# Altium PCB HIVE_BOARD_PCB ASCII REV Project_PCB_Rev.Project_SCH_Rev.PcbDoc (part 6 of 9)
Units mil, origin at the board's own origin, x right, y up, seen from the top; angles counter-clockwise.
Board outline 4330.71 x 4330.71 mil, 8 copper layers (Top, GND_1, Signal_1, GND_2, PWR, Signal_2, GND_3, Bottom), stack 62.994 mil thick; 660 components, 468 nets, 2497 pads, 1806 vias.
Unrouted connection lines stored in the file: 30.
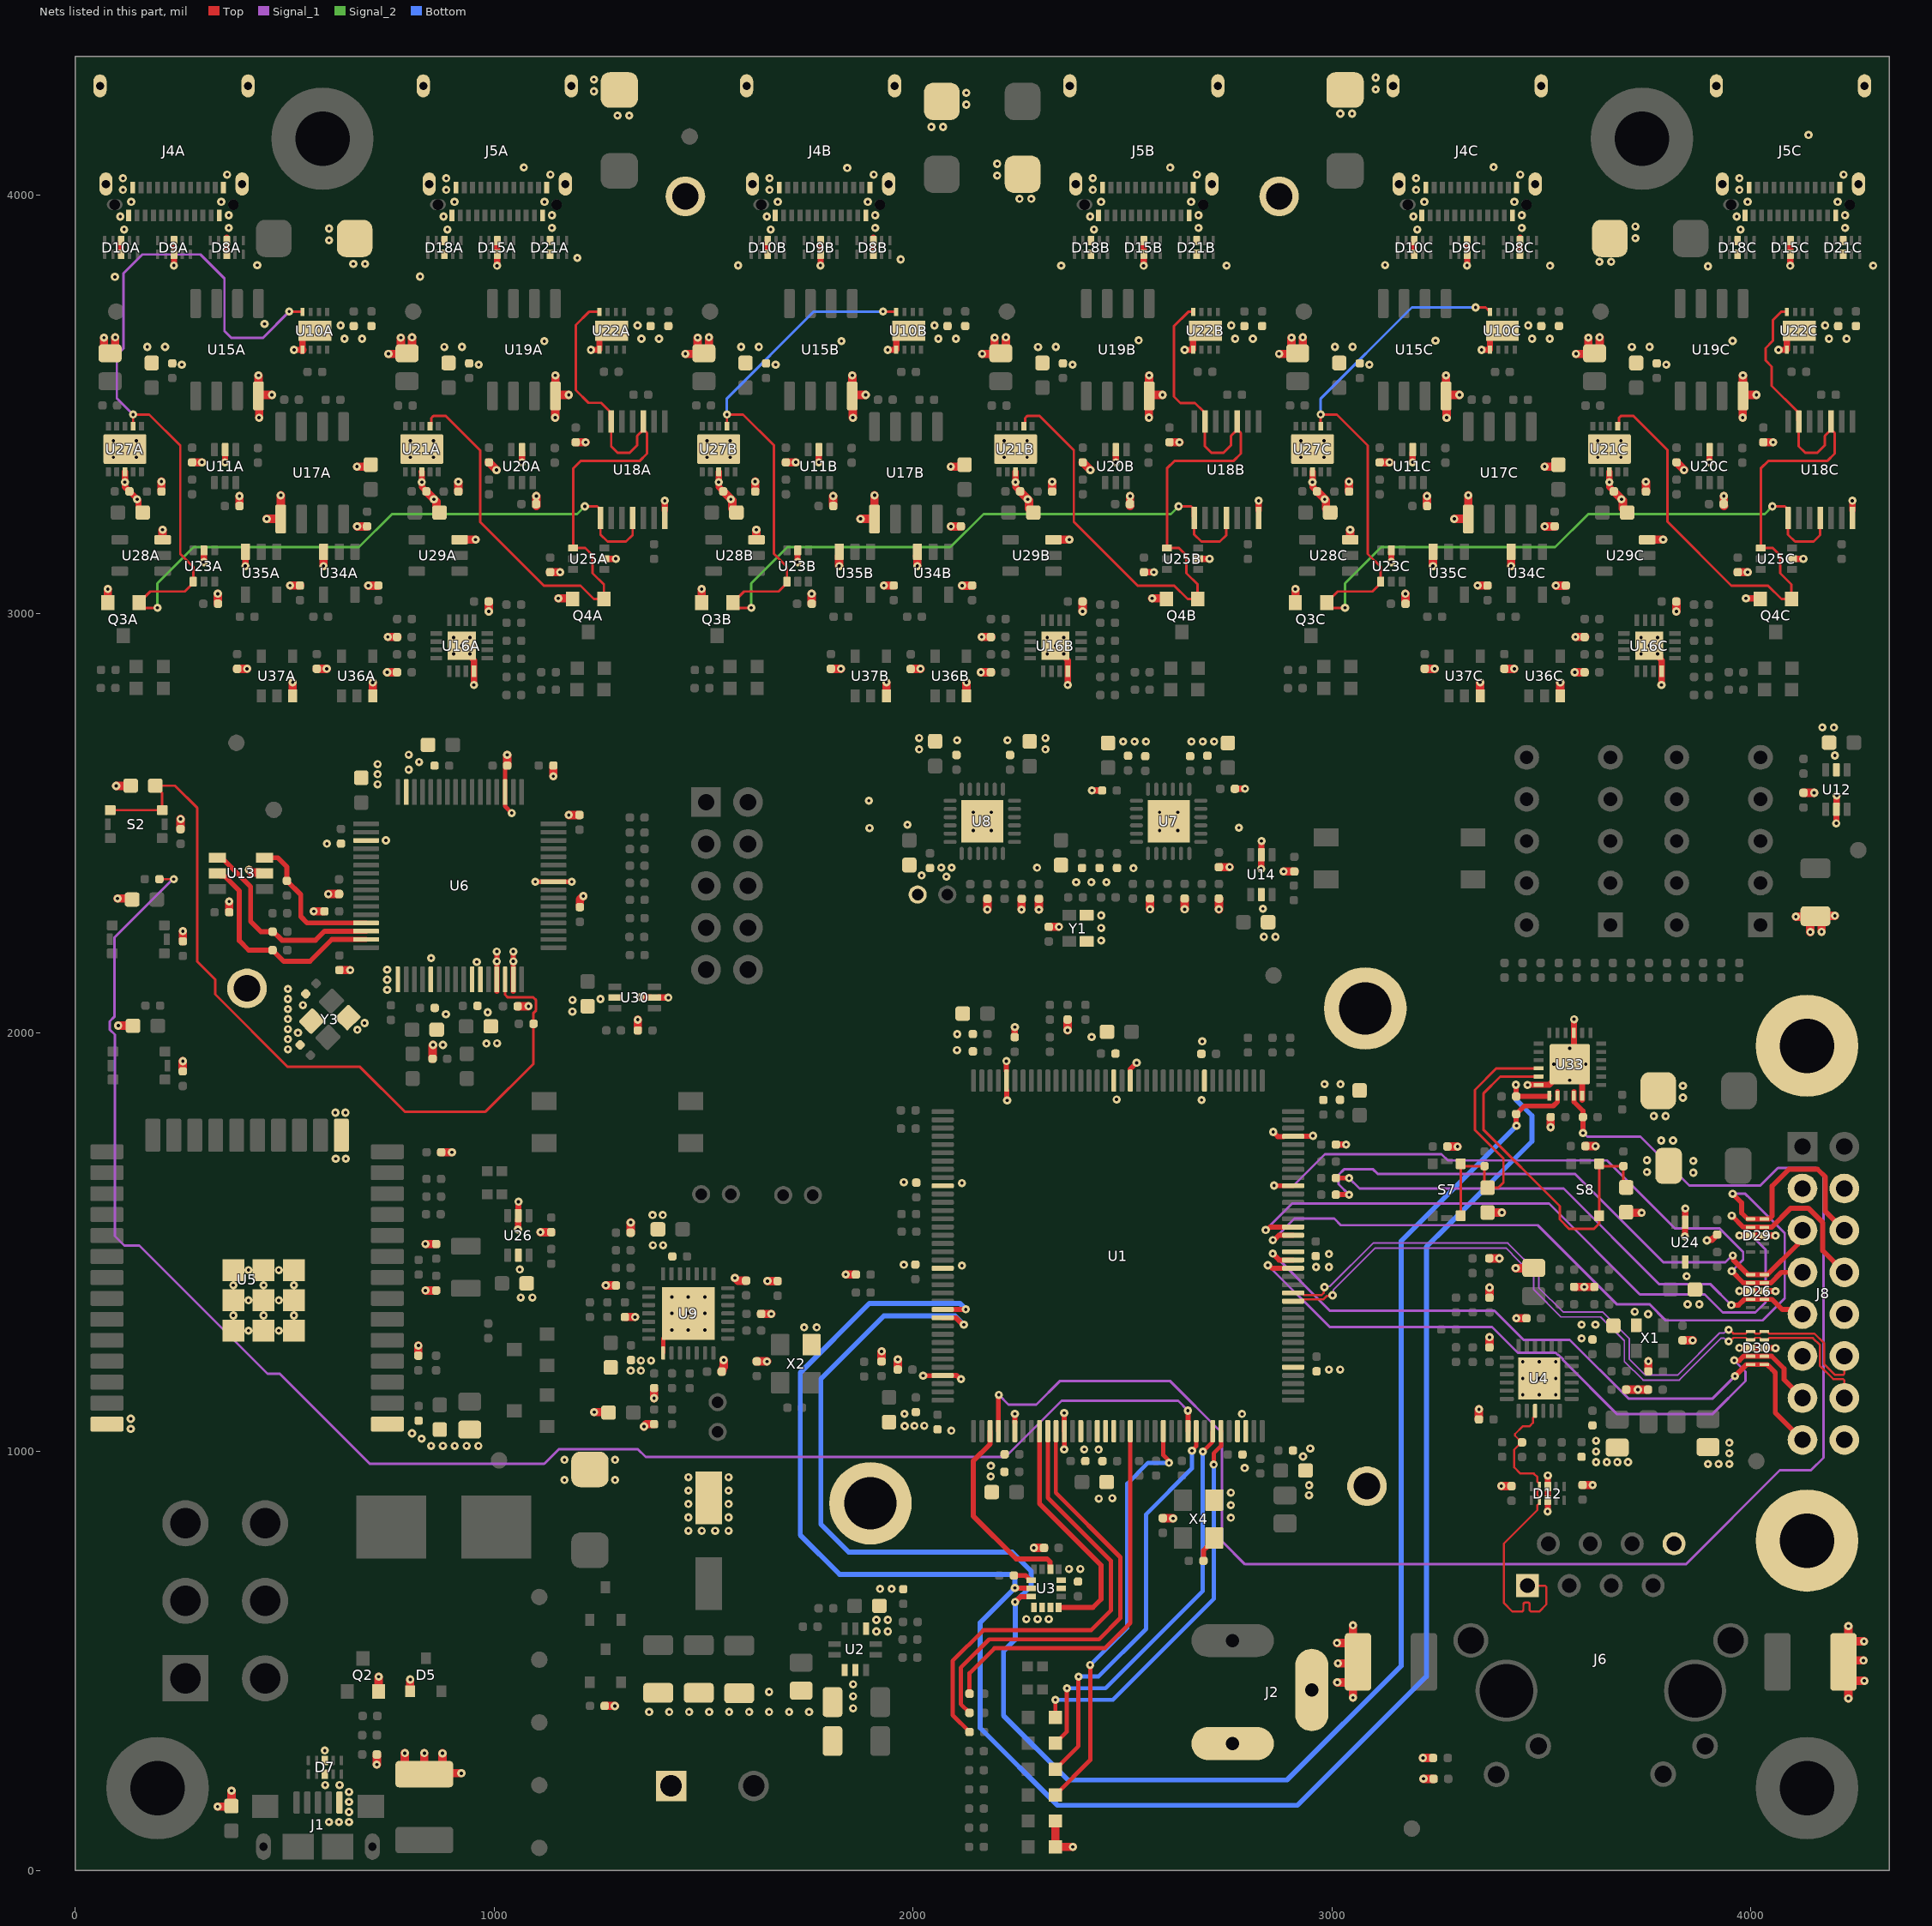
[diagram p12: the nets of this part, all layers, seen from the top]

## Via types
v1: diameter 19.68, hole 7.87, Top to Bottom, tented both sides, 1753 vias
v2: diameter 19.68, hole 7.87, Top to Bottom, 41 vias
v3: diameter 21.65, hole 7.87, Top to Bottom, tented both sides, 7 vias
v4: diameter 19.68, hole 7.87, Top to Bottom, tented bottom, 5 vias

## Nets (pads, with @x,y where several pads share a name; then routed paths per layer and width w, separated by ;. In a path a pad name is that pad's centre, name@x,y a point inside that pad or via, vN(x,y) a via of type N, cw(c..) or ccw(c..) an arc to the next point about the centre after c; other vN are vias at no path point) (continued)
ETH_TX_P: D12.2 D12.9 J6.1 R41.1 U4.21 | length 827.2
  Top w5: R41.1@3452.87,1022.08 3435.11,1004.31 3435.11,962.57 3450,947.67 3481.94,947.67 3490.73,938.89 3490.73,927.97 3493.66,925.04 3494.13,925.04 3495.57,923.6 D12.9@3495.57,916.42 3495.57,909.23 3494.13,907.8 3493.66,907.8 3490.73,904.87 3490.73,895.1 3493.66,892.17 3494.13,892.17 3495.57,890.73 D12.2@3495.57,883.55 3495.57,876.36 3494.13,874.92 3493.66,874.92 3490.73,871.99 3490.73,860.78 3410.06,780.11 3410.06,638.9 3430.89,618.07 3442.5,618.07 3452.12,618.07 ccw(c3452.12,623.07) 3457.12,623.07 3457.12,635.14 cw(c3461.62,635.14) 3461.62,639.64 3467.62,639.64 cw(c3467.62,635.14) 3472.12,635.14 3472.12,623.07 ccw(c3477.12,623.07) 3477.12,618.07 3494.62,618.07 3511.72,635.17 3511.72,677.14 3508.79,680.07 J6.1@3466.72,680.07 ; R41.1@3453.78,1022.08 3452.91,1022.08 3437.18,1037.81 3437.18,1041.95 3455.4,1060.17 3471.38,1060.17 3480.17,1068.96 3480.17,1080.68 3485.01,1085.52 U4.21@3485.01,1097.33
FTDI_EECLK: R68.1 U6.62 U13.4 | length 494.2
  Top w12: U13.4@340,2417.54 345.81,2411.73 355.55,2411.73 419.05,2348.22 419.05,2265.55 443.58,2241.03 R68.1@471.5,2241.03 ; R68.1@471.5,2243 493.74,2220.76 573.94,2220.76 595.4,2242.22 U6.62@694.55,2242.22
FTDI_EECS: R69.1 U6.63 U13.5 | length 532.6
  Top w12: U13.5@340,2380.14 345.81,2374.33 356,2374.33 392.15,2338.17 392.15,2219.32 414.47,2197 R69.1@471.5,2197 497.99,2170.51 560.74,2170.51 612.77,2222.54 U6.63@694.55,2222.54
FTDI_EEDATA: R72.1 U6.61 U13.3 | length 357.1
  Top w12: U13.3@452.2,2417.54 483.94,2417.54 505.67,2395.81 R72.1@505.67,2362.4 538.66,2329.42 538.66,2276.98 553.73,2261.91 U6.61@694.55,2261.91
FTDI_RESET: C91.1 R66.1 S2.3 S2.4 U6.14 | length 1967.2
  Top w6: S2.4@83.96,2531.09 S2.3@207.98,2531.09 207.98,2571.98 191.58,2588.37 C91.1@191.58,2589.47 238.57,2589.47 291.95,2536.09 291.95,2169.36 334.47,2126.84 334.47,2091.34 507.57,1918.23 679.97,1918.23 786.81,1811.39 979.71,1811.39 1094.29,1925.98 R66.1@1094.29,2021.11 1094.29,2046.98 1100.55,2053.23 1100.55,2077.48 1094.02,2084 1033,2084 1026.58,2090.42 1026.58,2126.72 U6.14@1026.44,2126.87
GND: C1.1 C2.2 C3.1 C4.2 C5.1 C6.2 C7.2 C8.2 C9.2 C10.2 C11.1 C12.2 C13.2 C14.2 C15.2 C16.2 C17.2 C18.2 C19.2 C20.1 C21.1 C22.1 C23.1 C24.1 C25.1 C27.2 C28.1 C29.1 C30.2 C31.1 C32.1 C33.1 C34.1 C35.1 C36.1 C37.2 C38.2 C39.2 C40.2 C41.1 C42.1 C43.1 C44.1 C45.1 C46.1 C47.1 C48.1 C49.1 C50.1 C51.2 C52.2 C53.2 C54.1 C55.2 C56.1 C57.2 C58.2 C59.1 C60.2 C61.2 C62.1 C63.2 C64.1 C65.2 C66.1 C67.1 C68.2 C69.2 C70.2 C71.2 C72.2 C73.1 C74.1 C75.1 C76.1 C77.2 C78.2 C79.2 C80.2 C81.1 C82.2 C83.1 C84.2 C85.1 C86.2 C87.2 C88.1 C89.1 C90.2 C91.2 C92.1 C93.1 C95.1 C96.2 C97.1 C98.1 C99.1 C100.2 C101.1 C102.1 C103.1 C104.1 C105.2 C106.1 C107.2 C108A.1 C108B.1 C108C.1 C109A.1 C109B.1 C109C.1 C110A.2 C110B.2 C110C.2 C111A.2 C111B.2 C111C.2 C112.2 C113A.1 C113B.1 C113C.1 C114A.2 C114B.2 C114C.2 C115A.2 C115B.2 C115C.2 C116.2 C117A.1 C117B.1 C117C.1 C118A.2 C118B.2 C118C.2 C119A.2 C119B.2 C119C.2 C120A.2 C120B.2 C120C.2 C121A.2 C121B.2 C121C.2 C122A.2 C122B.2 C122C.2 C123.1 C124A.1 C124B.1 C124C.1 C125A.1 C125B.1 C125C.1 C126A.1 C126B.1 C126C.1 C127A.1 C127B.1 C127C.1 C128A.1 C128B.1 C128C.1 C129.2 C130.1 C131.2 C132.2 C133A.1 C133B.1 C133C.1 C134.2 C135.2 C136.2 C137.2 C138.2 C139A.2 C139B.2 C139C.2 C140A.1 C140B.1 C140C.1 C141A.1 C141B.1 C141C.1 C142.2 C143.2 C144.2 C145A.2 C145B.2 C145C.2 C146A.2 C146B.2 C146C.2 C147.2 C148.1 C149.1 C150A.2 C150B.2 C150C.2 C151A.2 C151B.2 C151C.2 D3.2 D4.K D5.1 D6.K D7.3 D7.8 D8A.3 D8A.8 D8B.3 D8B.8 D8C.3 D8C.8 D9A.3 D9A.8 D9B.3 D9B.8 D9C.3 D9C.8 D10A.3 D10A.8 D10B.3 D10B.8 D10C.3 D10C.8 D11A.2 D11B.2 D11C.2 D12.3 D12.8 D15A.3 D15A.8 D15B.3 D15B.8 D15C.3 D15C.8 D16A.2 D16B.2 D16C.2 D18A.3 D18A.8 D18B.3 D18B.8 D18C.3 D18C.8 D21A.3 D21A.8 D21B.3 D21B.8 D21C.3 D21C.8 D26.3 D26.8 D27.2 D28.A D29.3 D29.8 D30.3 D30.8 HS1.1 HS1.2 J1.5 J2.2 J2.3 J3.1 J4A.1 J4A.2 J4A.3 J4A.4 J4A.A1 J4A.A12 J4A.B1 J4A.B12 J4B.1 J4B.2 J4B.3 J4B.4 J4B.A1 J4B.A12 J4B.B1 J4B.B12 J4C.1 J4C.2 J4C.3 J4C.4 J4C.A1 J4C.A12 J4C.B1 J4C.B12 J5A.1 J5A.2 J5A.3 J5A.4 J5A.A1 J5A.A12 J5A.B1 J5A.B12 J5B.1 J5B.2 J5B.3 J5B.4 J5B.A1 J5B.A12 J5B.B1 J5B.B12 J5C.1 J5C.2 J5C.3 J5C.4 J5C.A1 J5C.A12 J5C.B1 J5C.B12 J6.8 J8.3 J8.4 J8.10 J8.11 J8.16 MTH5.1 MTH6.1 Q2.2 Q3A.2 Q3B.2 Q3C.2 Q4A.2 Q4B.2 Q4C.2 R9.1 R12.2 R14.1 R17.2 R20.2 R26.1 R30.1 R34.2 R39.1 R49.1 R50.1 R51.1 R52.1 R59.1 R61.1 R65.2 R71.1 R74.1 R75.1 R76.1 R78.1 R83.1 R84.1 R86.2 R88.1 R90.2 R97A.2 R97B.2 R97C.2 R106A.2 R106B.2 R106C.2 R108A.1 R108B.1 R108C.1 R118A.2 R118B.2 R118C.2 R122.2 R126.2 R127A.2 R127B.2 R127C.2 R133A.2 R133B.2 R133C.2 R149.1 R150.1 R157.1 R158.1 R159.1 R160.1 R176.2 R180.2 R181.2 R183.1 TP12.2 TP13.1 TP14.1 TP15.1 TP16.1 U1.6 U1.12 U1.14 U1.16 U1.17 U1.18 U1.33 U1.34 U1.41 U1.55 U1.69 U1.80 U1.89 U1.91 U1.104 U1.118 U1.128 U1.141 U2.3 U2.4 U2.8 U3.1 U3.2 U3.3 U3.6 U3.7 U4.25 U5.1 U5.15 U5.38 U5.39 U6.1 U6.5 U6.10 U6.11 U6.13 U6.15 U6.25 U6.35 U6.47 U6.51 U7.25 U8.25 U9.15 U9.29 U10A.1 U10A.9 U10B.1 U10B.9 U10C.1 U10C.9 U11A.2 U11B.2 U11C.2 U12.2 U12.5 U13.2 U14.2 U14.5 U15A.4 U15B.4 U15C.4 U16A.12 U16A.17 U16B.12 U16B.17 U16C.12 U16C.17 U17A.5 U17B.5 U17C.5 U18A.7 U18B.7 U18C.7 U19A.4 U19B.4 U19C.4 U20A.2 U20B.2 U20C.2 U21A.3 U21A.11 U21B.3 U21B.11 U21C.3 U21C.11 U22A.1 U22A.9 U22B.1 U22B.9 U22C.1 U22C.9 U23A.2 U23B.2 U23C.2 U24.2 U24.5 U25A.2 U25B.2 U25C.2 U26.2 U26.5 U27A.3 U27A.11 U27B.3 U27B.11 U27C.3 U27C.11 U28A.3 U28B.3 U28C.3 U29A.3 U29B.3 U29C.3 U30.2 U30.5 U33.9 U33.18 U33.23 U33.25 U34A.3 U34B.3 U34C.3 U35A.3 U35B.3 U35C.3 U36A.3 U36B.3 U36C.3 U37A.3 U37B.3 U37C.3 X1.2 X2.2 X4.2 Y1.1 Y1.2 Y3.2 Y3.4 | length 9755.6
  Top w10: C71.2@1031.6,2637.43 1031.6,2636.89 1026.44,2631.72 U6.35@1026.44,2574.11 1026.44,2540.31 v1(1042.45,2524.3) ; U9.15@1403.72,1235.33 1403.72,1269.83 v1(1424.35,1290.46)
  Top w12: U6.13@1006.75,2098.11 U6.13@1006.75,2126.87 v1(1006.75,2170.19) v1(1006.75,2193.51) ; U6.15@1046.12,2098.11 U6.15@1046.12,2126.87 v1(1046.12,2170.19) v1(1046.12,2193.51) ; v1(1098.58,2360.07) v1@1185.22,2360.07 ; v1@2024.55,1181.29 U1.141@2048.14,1181.29 ; U1.141@2070.91,1181.66 2071.01,1181.76 2093.4,1181.76 2093.65,1182 2103.95,1182 2112.85,1173.09 v1(2114.82,1173.09) ; U1.104@2223.1,1908.18 v1@2223.1,1931.77 ; v1@2224.03,1838.85 U1.104@2224.03,1862.44 ; U1.6@2243.38,1069.68 v1(2243.38,1090.23) ; v1(2361,1005) 2361.36,1005.36 U1.12@2361.36,1048.7 ; v1(2361,1092) 2361,1071.46 2361.17,1071.28 U1.12@2361.27,1048.79 U1.12@2361.27,1048.79 ; U1.89@2518.75,1885.4 2518.75,1912.73 v1@2534,1927.99 ; v1@2860,1762.56 2870.49,1752.06 U1.69@2884.66,1752.06 ; U1.69@2907.53,1752.53 2907.62,1752.63 2930.02,1752.63 2930.39,1753 2953.98,1753 v1(2954.75,1753.77)
  Top w15: D10A.8@110.24,3857.58 D10A.3@110.24,3890.45 D10A.3@110.61,3890.83 ; U27A.3@119,3338.47 119.1,3338.38 119.1,3302.7 C140A.1@129.78,3292.02 151.3,3270.5 151.3,3250.98 160.8,3241.48 C139A.2@161.3,3241.48 ; v1@236.21,3831 D9A.8@236.21,3857.58 D9A.3@236.21,3890.45 ; U23A.2@307,3147 307.22,3146.78 v1(307.22,3123.16) ; v1@358,3364.34 U11A.2@358,3385 ; D8A.8@362.2,3864.15 D8A.3@362.2,3890.45 D8A.3@362.2,3897.02 ; C110A.2@392.28,3257.22 C110A.2@392.5,3257 ; U35A.3@406.27,3137.47 406.5,3137.24 v1(406.5,3113.63) ; v1(522.6,3629.7) U10A.1@542.52,3629.7 ; U10A.1@542.77,3629.95 542.77,3659.1 558.89,3675.23 U10A.9@572.3,3675.23 ; U21A.3@827.66,3338.47 827.76,3338.38 827.76,3302.7 C124A.1@838.44,3292.02 ; D18A.3@881.89,3890.45 D18A.3@882.27,3890.83 ; U29A.3@917.24,3177 U29A.3@917.62,3176.62 ; v1(922.98,2923.47) 945.01,2901.44 947.71,2901.44 948.94,2900.21 948.94,2892.28 952.5,2888.72 U16A.12@952.5,2862.45 952.5,2830 v1(952,2830) ; v1@1007.5,3830.63 D15A.8@1007.5,3857.2 ; D15A.3@1007.5,3890.08 D15A.8@1007.5,3857.2 ; D15A.3@1007.87,3890.45 D15A.8@1007.87,3857.58 D15A.8@1007.5,3857.2 ; v1@1057.46,1530.07 U26.5@1057.46,1554.26 ; U26.5@1058.12,1572.31 v1@1058.12,1596.5 ; v1@1066.66,3364.34 U20A.2@1066.66,3385 ; v1(1231.26,3629.7) 1251.18,3629.7 U22A.1@1251.43,3629.95 U22A.9@1251.43,3659.1 ; U25A.2@1267,3131 v1(1290.62,3131) ; v1@1349.6,2084.41 U30.5@1373.79,2084.41 ; U30.5@1391.84,2083.75 v1@1416.03,2083.75 ; U18A.7@1407.67,3246.03 v1(1407.67,3269.64) ; U27B.3@1536.42,3338.38 1536.42,3302.7 C140B.1@1547.1,3292.02 ; C139B.2@1568.62,3250.98 1578.12,3241.48 C139B.2@1578.62,3241.48 ; D10B.8@1653.55,3857.59 D10B.3@1653.54,3890.45 D10B.3@1653.92,3890.84 ; U23B.2@1724.32,3147 1724.55,3146.78 v1(1724.55,3123.16) ; v1@1775.32,3364.34 U11B.2@1775.32,3385 ; v1@1779.52,3831.01 D9B.3@1779.53,3890.45 ; D8B.8@1905.51,3864.16 D8B.3@1905.51,3897.04 ; v1(1939.92,3629.7) 1959.84,3629.7 U10B.1@1960.09,3629.95 1960.09,3659.1 1976.21,3675.23 U10B.9@1989.62,3675.23 ; C29.1@2243,1989 C29.1@2243,1989.28 v1@2243,2013.19 ; U21B.3@2245.08,3338.38 2245.08,3302.7 C124B.1@2255.76,3292.02 ; v1(2340.3,2923.47) 2362.33,2901.44 2365.03,2901.44 2366.26,2900.21 2366.26,2892.28 2369.83,2888.72 U16B.12@2369.83,2862.45 2369.83,2830 v1(2369.32,2830) ; D18B.3@2425.2,3890.45 D18B.3@2425.58,3890.84 ; v1@2427.31,2578 C99.1@2451.5,2578 ; v1@2483.98,3364.34 U20B.2@2483.98,3385 ; v1@2550.81,3830.64 D15B.8@2550.81,3857.22 ; D15B.3@2550.81,3890.09 D15B.8@2550.81,3857.22 ; D15B.3@2551.18,3890.45 2551.18,3857.59 D15B.8@2550.81,3857.22 ; C133B.1@2551.44,3099.09 v1(2575.05,3099.09) ; v1(2648.58,3629.7) 2668.5,3629.7 U22B.1@2668.75,3629.95 U22B.9@2668.75,3659.1 ; U25B.2@2684.32,3131 v1(2707.94,3131) ; C103.1@2768.5,2582 v1@2792.69,2582 ; U18B.7@2824.99,3246.03 v1(2824.99,3269.64) ; v1@2831.17,2391.06 U14.5@2831.17,2415.25 ; U14.5@2831.83,2433.3 v1@2831.83,2457.49 ; U27C.3@2953.74,3338.38 2953.74,3302.7 C140C.1@2964.42,3292.02 ; C28.1@3009.67,1732.94 v1@3033.86,1732.94 ; U23C.2@3141.65,3147 3141.87,3146.78 v1(3141.87,3123.16) ; v1@3192.65,3364.34 U11C.2@3192.65,3385 ; D10C.8@3196.85,3857.58 D10C.3@3196.85,3890.45 D10C.3@3197.23,3890.83 ; v1@3322.83,3831 D9C.3@3322.83,3890.45 ; v1(3357.24,3629.7) 3377.17,3629.7 U10C.1@3377.42,3629.95 3377.42,3659.1 3393.54,3675.23 U10C.9@3406.94,3675.23 ; D8C.8@3448.83,3864.15 D8C.3@3448.83,3897.03 ; v1@3465.29,1875.42 U33.18@3493.07,1875.42 3518.66,1875.42 v4(3567.87,1924.64) ; v1@3515.26,856.97 D12.3@3515.26,883.55 D12.8@3515.26,916.42 v1@3515.26,943 ; v1(3578,2032) 3578,1934.76 v4(3567.87,1924.64) ; U33.23@3597.4,1840.34 U33.23@3597.4,1849.83 3597.4,1895.11 v4(3567.87,1924.64) ; U21C.3@3662.4,3338.38 3662.4,3302.7 C124C.1@3673.09,3292.02 ; v1@3730.22,1147.88 v1@3730.32,1147.78 ; v1(3757.62,2923.47) 3779.65,2901.44 3782.36,2901.44 3783.59,2900.21 3783.59,2892.28 3787.15,2888.72 U16C.12@3787.15,2862.45 3787.15,2830 v1(3786.65,2830) ; v1@3842.74,1513.93 U24.5@3842.74,1538.13 ; U24.5@3843.4,1556.17 v1@3843.4,1580.37 ; v1(3895,1504.01) 3896.27,1505.29 3907.03,1505.29 C129.2@3919.67,1517.93 ; v1@3901.31,3364.34 U20C.2@3901.31,3385 ; D18C.3@3968.5,3890.45 D18C.3@3968.89,3890.83 ; v1@3972.73,1247.22 D30.3@3999.31,1247.22 D30.8@4032.18,1247.22 v1@4058.76,1247.22 ; v1@3972.73,1383.13 D26.3@3999.31,1383.13 D26.8@4032.18,1383.13 v1@4058.76,1383.13 ; v1@3972.73,1515.75 D29.3@3999.31,1515.75 D29.8@4032.18,1515.75 v1@4058.76,1515.75 ; v1(3988.24,3036.71) Q4C.2@4011.86,3036.71 ; v1(4065.9,3629.7) 4085.83,3629.7 U22C.1@4086.08,3629.95 U22C.9@4086.08,3659.1 ; v1@4094.12,3830.63 D15C.8@4094.12,3857.21 ; D15C.3@4094.12,3890.08 D15C.8@4094.12,3857.21 ; D15C.3@4094.49,3890.45 D15C.8@4094.49,3857.58 D15C.8@4094.12,3857.21 ; U25C.2@4101.65,3131 v1(4125.26,3131) ; v1@4204.12,2499.63 U12.5@4204.12,2523.82 ; U12.5@4204.78,2541.87 v1@4204.78,2566.06 ; U18C.7@4242.32,3246.03 v1(4242.32,3269.64)
  Top w20: C141A.1@68.89,3635.33 v1(68.89,3658.95) ; Q3A.2@78.29,3035.23 v1(78.29,3058.85) ; C141A.1@95.81,3635.95 v1(95.81,3659.57) ; v1@98.25,2588.77 C91.2@122.44,2588.77 ; v1@101.41,2320.17 C4.2@125.6,2320.17 ; v1@103.12,2016.58 C68.2@127.32,2016.58 ; R133A.2@206.07,3291.7 v1(206.07,3315.32) ; U28A.3@208.96,3176.62 v1(208.96,3200.24) ; R71.1@251.84,2485.77 v1@251.84,2509.96 ; R39.1@257.08,1907.63 v1@257.08,1931.82 ; R9.1@257.29,2217.97 v1@257.29,2242.16 ; R97A.2@279.1,3361.04 R97A.2@279.32,3361.26 v1(302.93,3361.26) ; v1@340.3,152.54 R30.1@364.49,152.54 ; v1(340.86,3047.56) 340.86,3023.94 C128A.1@341.08,3023.72 ; C84.2@367.95,2287.33 v1(367.95,2312.96) ; R30.1@373.25,166.31 v1@373.25,190.5 ; C151A.2@387,2868.5 v1(410.62,2868.5) ; C110A.2@392.28,3257.22 v1(392.28,3280.84) ; v1(415,2389) 421.89,2382.1 U13.2@440.15,2382.1 ; U15A.4@437.82,3545.08 v1(437.82,3568.69) ; v1(439.28,3467.68) U15A.4@439.28,3491.29 ; U15A.4@446.26,3522.32 v1(469.87,3522.32) ; v1(457.53,3226.22) 490.77,3226.22 U17A.5@490.94,3226.05 ; U17A.5@490.94,3226.05 v1(490.97,3282.65) ; v1(513.21,3067.25) C146A.2@536.82,3067.25 C146A.2@537.05,3067.47 ; U37A.3@519.32,2812.58 v1(519.32,2836.19) ; U10A.1@542.52,3629.7 U10A.1@542.77,3629.95 ; v1(569.65,2289.57) R65.2@595.29,2289.57 ; C150A.2@577,2868.5 v1(600.62,2868.5) ; U34A.3@592.86,3137.47 593.08,3137.24 v1(593.08,3113.63) ; v1(604.46,2330.82) C79.2@630.1,2330.82 ; C72.2@631,2149.33 v1(656.64,2149.33) ; v1(673,3351) 691.75,3351 C145A.2@696.95,3356.19 ; v1(673.28,3208.33) 696.89,3208.33 C119A.2@697.11,3208.55 ; v1(699.99,3067.03) 723.6,3067.03 C118A.2@723.82,3067.25 ; U36A.3@710.55,2812.11 v1(710.55,2835.72) ; v1@720.5,252.81 R14.1@720.5,277 ; Q2.2@724.65,438.6 v1@724.65,462.8 ; v1(744.92,2860.21) R106A.2@768.53,2860.21 ; v1(746.66,2944.57) R108A.1@770.28,2944.57 ; v1(748.04,3620.19) C127A.1@771.65,3620.19 ; C127A.1@777.55,3635.33 v1(777.55,3658.95) ; C149.1@786.98,256.16 v1@786.98,280.35 ; D5.1@799.95,430.47 v1@799.95,454.67 ; C127A.1@804.47,3635.95 v1(804.47,3659.57) ; C97.1@819.38,1228.94 v1@819.38,1253.14 ; C149.1@833.51,256.16 v1@833.51,280.35 ; v1(836.37,1384.53) C66.1@862.01,1384.53 ; v1(836.37,1495.53) C67.1@862.01,1495.53 ; C124A.1@838.44,3292.02 856.66,3273.8 v1(856.66,3273.12) 862.46,3267.33 862.46,3248.48 869.46,3241.48 C111A.2@869.96,3241.48 ; R74.1@853.33,1937.68 853.33,1969.39 v1(854.6,1970.66) ; R59.1@873.88,1714.42 v1(899.52,1714.42) ; C149.1@876.76,255.69 v1@876.76,279.88 ; C149.1@897.89,232.42 v1@922.08,232.42 ; R127A.2@914.96,3291.48 v1(914.96,3315.1) ; U29A.3@917.24,3177 v1(956,3177) ; C117A.1@987.34,3029.19 C117A.1@987.45,3029.08 987.56,3028.97 v1(987.56,3005.36) ; R118A.2@987.76,3361.04 R118A.2@987.98,3361.26 1006,3343.24 v1(1006,3343) ; C71.2@1031.6,2637.43 v1(1031.6,2663.07) ; C70.2@1056.5,2063 v1(1082.14,2063) ; v1(1100.94,3280.84) 1100.94,3257.22 C120A.2@1101.16,3257 ; v1(1110.99,1523.7) C135.2@1136.63,1523.7 ; C133A.1@1134.12,3099.09 v1(1157.73,3099.09) ; v1(1141.71,2611.97) R126.2@1141.71,2637.61 ; v1(1146,3468) 1146,3489.35 U19A.4@1147.94,3491.29 ; U19A.4@1146.48,3545.08 v1(1146.48,3568.69) ; v1(1153.6,3036.71) Q4A.2@1177.21,3036.71 ; U19A.4@1154.92,3522.32 v1(1178.53,3522.32) ; v1(1178.36,2519.5) C57.2@1204,2519.5 ; C113A.1@1195.1,3409.22 v1(1218.71,3409.22) ; C55.2@1205,2299.5 C55.2@1205,2299.5 1205.04,2317.72 v1(1213.09,2325.77) ; v1@1239.02,1094.09 C86.2@1263.21,1094.09 ; R12.2@1264.15,392.92 v1@1288.34,392.92 ; v1@1266.89,1396.59 C47.1@1291.08,1396.59 ; C43.1@1312.47,1321.2 v1@1336.66,1321.2 ; R17.2@1326.14,1522.59 v1@1326.14,1546.78 ; C136.2@1343.24,2005.24 v1(1343.24,2030.88) ; v1(1358,1060) 1363.4,1065.4 R20.2@1382.25,1065.4 ; v1@1382.24,1127.38 R34.2@1382.24,1151.57 ; v1(1456.7,3620.19) C141B.1@1480.31,3620.19 ; C141B.1@1486.21,3635.33 v1(1486.21,3658.95) ; Q3B.2@1495.62,3035.23 v1(1495.62,3058.85) ; C141B.1@1513.13,3635.95 v1(1513.13,3659.57) ; C45.1@1543.42,1190.98 1545.92,1193.48 1545.92,1199.35 1548.45,1201.88 1548.27,1202.06 v1(1548.27,1218.64) ; C140B.1@1547.1,3292.02 1568.62,3270.5 C139B.2@1568.62,3250.98 ; v1(1574.91,1414.37) 1575.35,1414.37 1581.98,1407.75 1601.61,1407.75 C46.1@1601.82,1407.96 ; R133B.2@1623.4,3291.7 v1(1623.4,3315.32) ; U28B.3@1626.28,3176.62 v1(1626.28,3200.24) ; C49.1@1627.33,1215.23 v1@1651.52,1215.23 ; C48.1@1637.64,1328.59 v1@1661.83,1328.59 ; v1@1652.81,1406.96 R52.1@1677,1406.96 ; R97B.2@1696.42,3361.04 R97B.2@1696.64,3361.26 v1(1720.26,3361.26) ; v1(1758.18,3047.56) 1758.18,3023.94 C128B.1@1758.4,3023.72 ; C151B.2@1804.32,2868.5 v1(1827.94,2868.5) ; v1(1809.6,3280.84) 1809.6,3257.22 C110B.2@1809.82,3257 ; U35B.3@1823.6,3137.47 1823.82,3137.24 v1(1823.82,3113.63) ; v1@1839.65,1422.63 R122.2@1863.84,1422.63 ; U15B.4@1855.14,3545.08 v1(1855.14,3568.69) ; v1(1856.6,3467.68) U15B.4@1856.6,3491.29 ; U15B.4@1863.58,3522.32 v1(1887.2,3522.32) ; v1(1874.85,3226.22) 1908.1,3226.22 U17B.5@1908.26,3226.05 v1(1908.29,3282.65) ; R176.2@1924.93,1215.01 v1@1924.93,1239.2 ; v1(1930.53,3067.25) C146B.2@1954.15,3067.25 C146B.2@1954.37,3067.47 ; U37B.3@1936.65,2812.58 v1(1936.65,2836.19) ; C31.1@1963.75,1195.75 v1@1963.75,1219.94 ; C150B.2@1994.32,2868.5 v1(2017.94,2868.5) ; U34B.3@2010.18,3137.47 2010.41,3137.24 v1(2010.41,3113.63) ; v1(2090.32,3351) 2109.08,3351 C145B.2@2114.27,3356.19 ; v1(2090.6,3208.33) 2114.21,3208.33 C119B.2@2114.44,3208.55 ; v1(2117.31,3067.03) 2140.92,3067.03 C118B.2@2141.15,3067.25 ; U36B.3@2127.88,2812.11 v1(2127.88,2835.72) ; v1(2162.24,2860.21) R106B.2@2185.86,2860.21 ; v1(2163.98,2944.57) R108B.1@2187.6,2944.57 ; v1(2165.36,3620.19) C127B.1@2188.98,3620.19 ; v1(2177.56,2293.84) R88.1@2177.56,2319.48 ; C127B.1@2194.87,3635.33 v1(2194.87,3658.95) ; C127B.1@2221.79,3635.95 v1(2221.79,3659.57) ; C124B.1@2255.76,3292.02 2277.28,3270.5 2277.28,3250.98 2286.78,3241.48 C111B.2@2287.28,3241.48 ; v1(2259.11,2293.76) R90.2@2259.11,2319.4 ; v1@2288.6,770.18 C77.2@2312.8,770.18 ; v1(2300.69,2293.76) R181.2@2300.69,2319.4 ; C95.1@2324.22,2252.52 v1@2348.42,2252.52 ; R127B.2@2332.28,3291.48 v1(2332.28,3315.1) ; U29B.3@2334.94,3176.62 2334.56,3177 v1(2373.32,3177) ; D6.K@2339.87,118.35 D4.K@2339.87,56.51 v1(2381.68,56.51) ; v1(2369.26,2005.67) R183.1@2369.26,2031.31 ; C117B.1@2404.66,3029.19 C117B.1@2404.77,3029.08 2404.88,3028.97 v1(2404.88,3005.36) ; R118B.2@2405.08,3361.04 R118B.2@2405.3,3361.26 2423.32,3343.24 v1(2423.32,3343) ; v1(2518.26,3280.84) 2518.26,3257.22 C120B.2@2518.48,3257 ; v1(2563.32,3468) 2563.32,3489.35 U19B.4@2565.27,3491.29 ; U19B.4@2563.8,3545.08 v1(2563.8,3568.69) ; v1(2565.8,2294.44) R84.1@2565.8,2320.08 ; v1(2570.92,3036.71) Q4B.2@2594.54,3036.71 ; U19B.4@2572.24,3522.32 v1(2595.86,3522.32) ; C1.1@2596.75,840.73 v1@2620.94,840.73 ; C113B.1@2612.42,3409.22 v1(2636.03,3409.22) ; v1(2648.59,2294.44) R83.1@2648.59,2320.08 ; v1(2730.19,2294.36) R86.2@2730.19,2320 ; R180.2@2730.19,2395.12 v1(2755.83,2395.12) ; v1(2874.02,3620.19) C141C.1@2897.64,3620.19 ; v1(2884.7,2384.69) C96.2@2910.34,2384.69 ; C141C.1@2903.54,3635.33 v1(2903.54,3658.95) ; Q3C.2@2912.94,3035.23 v1(2912.94,3058.85) ; C141C.1@2930.45,3635.95 v1(2930.45,3659.57) ; C140C.1@2964.42,3292.02 2985.94,3270.5 2985.94,3250.98 2995.44,3241.48 C139C.2@2995.94,3241.48 ; v1@3012.23,543.02 C60.2@3036.42,543.02 ; v1@3012.93,448.98 C60.2@3037.13,448.98 ; v1@3014.41,494.42 C60.2@3038.6,494.42 ; R133C.2@3040.72,3291.7 v1(3040.72,3315.32) ; U28C.3@3043.6,3176.62 v1(3043.6,3200.24) ; v1@3050.2,412.46 C60.2@3050.2,436.65 ; C60.2@3050.2,560.99 v1@3050.2,585.18 ; R97C.2@3113.74,3361.04 R97C.2@3113.96,3361.26 v1(3137.58,3361.26) ; v1(3175.5,3047.56) 3175.5,3023.94 C128C.1@3175.72,3023.72 ; v1@3217.31,268.67 R49.1@3241.5,268.67 ; v1@3218.54,218.91 R51.1@3242.73,218.91 ; C151C.2@3221.65,2868.5 v1(3245.26,2868.5) ; v1(3226.92,3280.84) 3226.92,3257.22 C110C.2@3227.15,3257 ; U35C.3@3240.92,3137.47 3241.14,3137.24 v1(3241.14,3113.63) ; U15C.4@3272.46,3545.08 v1(3272.46,3568.69) ; v1(3273.93,3467.68) U15C.4@3273.93,3491.29 ; R149.1@3275.72,1728.24 v1@3299.91,1728.24 ; U15C.4@3280.9,3522.32 v1(3304.52,3522.32) ; v1(3292.18,3226.22) 3325.42,3226.22 U17C.5@3325.58,3226.05 ; U17C.5@3325.58,3226.05 v1(3325.61,3282.65) ; v1(3347.85,3067.25) C146C.2@3371.47,3067.25 C146C.2@3371.69,3067.47 ; C53.2@3350.8,1076.81 v1@3350.8,1101 ; U37C.3@3353.97,2812.58 v1(3353.97,2836.19) ; R78.1@3375.49,1461.31 v1@3399.69,1461.31 ; R160.1@3376.06,1248.74 v1@3376.06,1272.93 ; R159.1@3376.06,1367.4 v1@3376.06,1391.6 ; C143.2@3381.44,1570.67 v1@3405.63,1570.67 ; v1@3404.4,917.66 C39.2@3428.59,917.66 ; C150C.2@3411.65,2868.5 v1(3435.26,2868.5) ; U34C.3@3427.51,3137.47 3427.73,3137.24 v1(3427.73,3113.63) ; v1@3438.56,1437.6 C50.1@3462.75,1437.6 ; v1@3440.06,1318.2 C34.1@3464.25,1318.2 ; v1(3507.65,3351) 3526.4,3351 C145C.2@3531.59,3356.19 ; v1(3507.92,3208.33) 3531.54,3208.33 C119C.2@3531.76,3208.55 ; v1@3522.22,1774.28 C142.2@3522.22,1798.47 ; v1(3534.63,3067.03) 3558.25,3067.03 C118C.2@3558.47,3067.25 ; U36C.3@3545.2,2812.11 v1(3545.2,2835.72) ; R157.1@3578.2,1393.08 v1@3602.39,1393.08 ; v1(3579.56,2860.21) R106C.2@3603.18,2860.21 ; v1(3581.31,2944.57) R108C.1@3604.92,2944.57 ; v1(3582.68,3620.19) C127C.1@3606.3,3620.19 ; C40.2@3598.28,920.41 v1@3622.47,920.41 ; v1(3602.39,1392.88) R158.1@3626.58,1392.88 ; R150.1@3605.05,1729.21 v1@3629.25,1729.21 ; C127C.1@3612.2,3635.33 v1(3612.2,3658.95) ; C127C.1@3639.11,3635.95 v1(3639.11,3659.57) ; C124C.1@3673.09,3292.02 3694.6,3270.5 3694.6,3250.98 3704.1,3241.48 C111C.2@3704.6,3241.48 ; R75.1@3702.6,1148.1 3702.6,1147.88 v1@3730.22,1147.88 ; C144.2@3715.04,1570.31 v1@3739.23,1570.31 ; v1@3730.32,1147.78 R76.1@3754.51,1147.78 ; R127C.2@3749.6,3291.48 v1(3749.6,3315.1) ; U29C.3@3752.26,3176.62 3751.88,3177 v1(3790.65,3177) ; C65.2@3755.35,1191.57 v1@3755.35,1215.76 ; C117C.1@3821.98,3029.19 C117C.1@3822.09,3029.08 3822.2,3028.97 v1(3822.2,3005.36) ; R118C.2@3822.4,3361.04 R118C.2@3822.62,3361.26 3840.65,3343.24 v1(3840.65,3343) ; R61.1@3836.92,1265.57 v1@3861.12,1265.57 ; v1(3935.58,3280.84) 3935.58,3257.22 C120C.2@3935.81,3257 ; C133C.1@3968.76,3099.09 v1(3992.38,3099.09) ; v1(3980.65,3468) 3980.65,3489.35 U19C.4@3982.59,3491.29 ; U19C.4@3981.12,3545.08 v1(3981.12,3568.69) ; U19C.4@3989.57,3522.32 v1(4013.18,3522.32) ; C113C.1@4029.74,3409.22 v1(4053.36,3409.22) ; v1(4107.55,2276.95) 4133.31,2276.95 C148.1@4133.5,2276.76 ; C27.2@4125.61,2572.42 v1(4151.25,2572.42) ; v1(4142.01,2240.05) C148.1@4142.01,2263.67 ; v1(4168.93,2240.67) C148.1@4168.93,2264.28 ; C148.1@4174.83,2279.43 4175.3,2278.95 v1(4200.55,2278.95) ; v1@4233.06,410.82 C61.2@4233.06,435.01 ; C61.2@4233.06,559.35 v1@4233.06,583.54 ; C61.2@4244.66,501.58 v1@4268.85,501.58 ; C61.2@4246.13,547.02 v1@4270.33,547.02 ; C61.2@4246.84,452.98 v1@4271.03,452.98